# Altium PCB CorePad-V2.0.PcbDoc (part 2 of 3)
Units mil, origin at the board's own origin, x right, y up, seen from the top; angles counter-clockwise.
Board outline 2003.94 x 2003.94 mil, 4 copper layers (TOP, GND02, VCC03, BOT), stack 30.634 mil thick; 57 components, 182 nets, 610 pads, 391 vias.
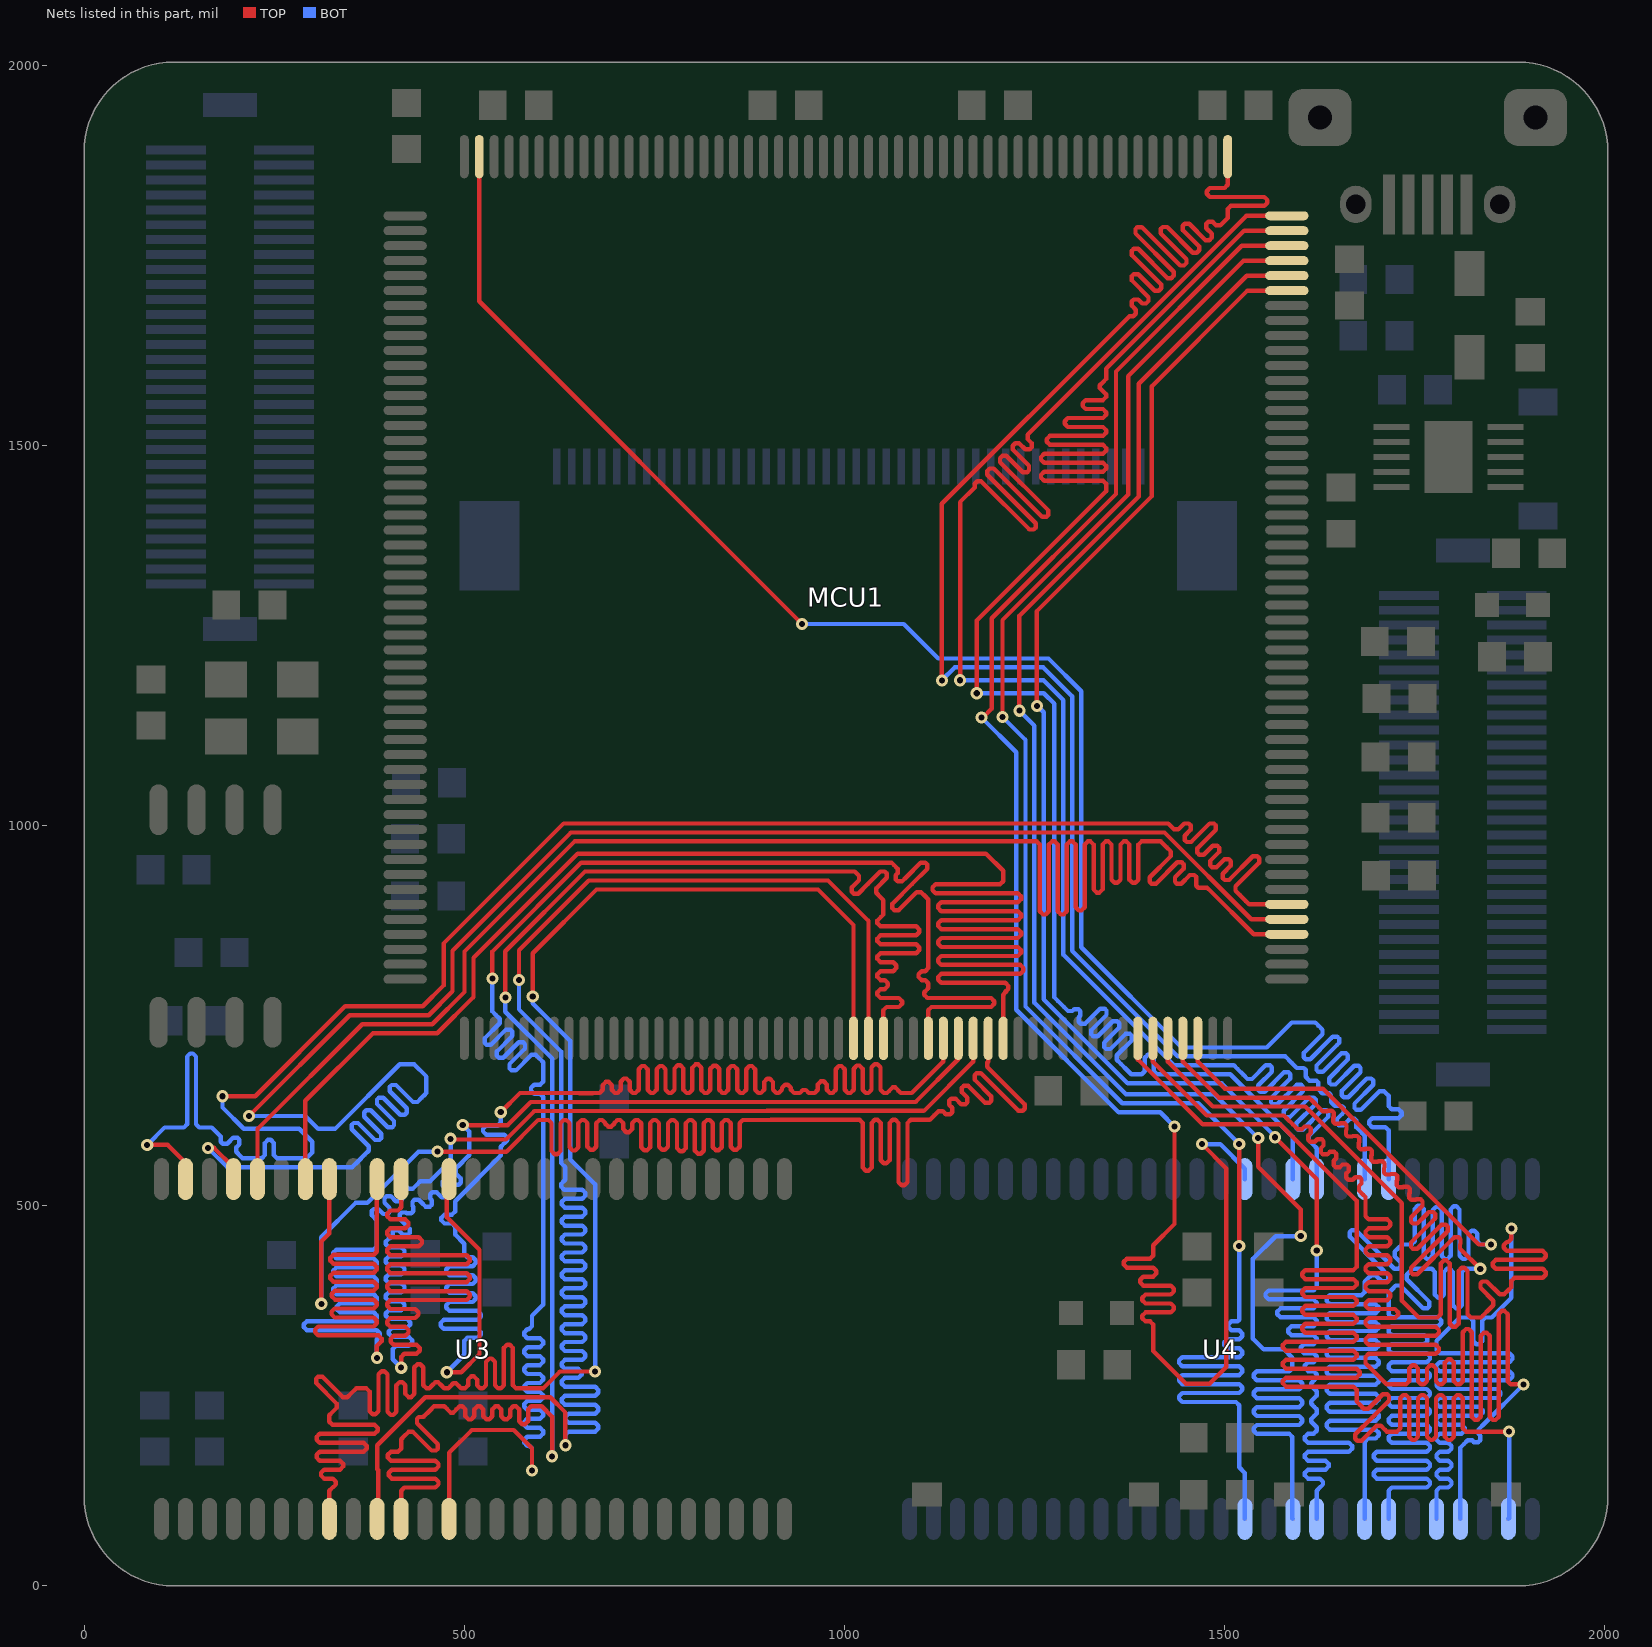
[diagram p4: the nets of this part, all layers, seen from the top]

## Via types
v1: diameter 16, hole 8, TOP to BOT, tented both sides, 229 vias
v2: diameter 24, hole 12, TOP to BOT, tented both sides, 156 vias
v3: diameter 27.56, hole 23.62, TOP to BOT, 4 vias
v4: diameter 39.37, hole 19.68, TOP to BOT, 2 vias

## Nets (pads, with @x,y where several pads share a name; then routed paths per layer and width w, separated by ;. In a path a pad name is that pad's centre, name@x,y a point inside that pad or via, vN(x,y) a via of type N, cw(c..) or ccw(c..) an arc to the next point about the centre after c; other vN are vias at no path point) (continued)
FMC_D4: MCU1.79 U3.8 | length 2595
  TOP w5.78: U3.8@325,90.63 U3.8@322.52,88.15 322.52,94.04 322.52,105.82 322.52,117.6 322.52,125.26 326.64,129.38 327.09,129.38 331.21,133.5 331.21,137.04 327.09,141.16 322.52,141.16 315.64,141.16 311.51,145.28 311.51,148.82 315.64,152.94 322.52,152.94 336.49,152.94 340.62,157.06 340.62,160.6 336.49,164.72 322.52,164.72 309.9,164.72 305.78,168.84 305.78,172.38 309.9,176.5 322.52,176.5 367.61,176.5 371.73,180.62 371.73,184.16 367.61,188.28 322.52,188.28 309.9,188.28 305.78,192.4 305.78,195.94 309.9,200.06 322.52,200.06 381.91,200.06 386.04,204.18 386.04,207.72 381.91,211.84 326.64,211.84 322.52,215.96 322.52,223.62 322.52,224.52 326.68,228.68 332.1,234.1 332.1,239.93 305.19,266.83 305.19,272.67 307.69,275.16 313.52,275.16 340.43,248.26 346.26,248.26 351.67,253.67 357.78,259.78 363.67,259.78 371.33,259.78 375.45,255.66 375.45,229.74 379.57,225.62 383.11,225.62 387.23,229.74 387.23,259.78 387.23,278.23 391.35,282.35 394.89,282.35 399.01,278.23 399.01,259.78 399.01,228.94 403.13,224.81 406.67,224.81 410.79,228.94 410.79,259.78 410.79,263.99 414.91,268.11 418.45,268.11 422.57,263.99 422.57,259.78 422.57,252.5 426.69,248.37 430.23,248.37 434.35,252.5 434.35,259.78 434.35,287.45 438.47,291.57 442.01,291.57 446.13,287.45 446.13,263.9 450.25,259.78 453.79,259.78 457.91,263.9 462.03,268.03 465.57,268.03 469.69,263.9 473.81,259.78 478.91,259.78 481.47,262.34 485.59,266.46 489.13,266.46 493.25,262.34 495.81,259.78 500.91,259.78 505.03,263.9 505.03,271.37 509.15,275.49 512.69,275.49 516.81,271.37 516.81,263.9 520.93,259.78 524.47,259.78 528.59,263.9 528.59,294.94 532.71,299.06 536.25,299.06 540.37,294.94 540.37,263.9 544.49,259.78 548.03,259.78 552.15,263.9 552.15,312.97 556.27,317.09 559.81,317.09 563.93,312.97 563.93,263.9 568.05,259.78 603.53,259.78 625.75,282 v1(672,282) ; v1(590,775) 590,832 673.89,915.89 965.11,915.89 1011.81,869.19 MCU1.79@1011.81,720.12
  BOT w5.78: v1(590,775) 590,766 639.11,716.89 639.11,561 672,528.11 v1(672,282)
FMC_D5: MCU1.80 U3.10 | length 2588.5
  TOP w5.78: U3.10@385.51,88.15 386.69,89.32 386.69,152.45 385.51,153.63 385.51,185 448.51,248 613,248 633,228 v1(633,185) ; v1(572,797) 572,836 663.67,927.67 978.33,927.67 1031.5,874.5 MCU1.80@1031.5,720.12
  BOT w5.78: v1(572,797) 572,758.11 627.33,702.78 627.33,556.12 633,550.45 633,544.56 633,534.33 631.45,532.78 627.33,528.66 627.33,525.12 631.45,521 633,521 655.19,521 659.31,516.88 659.31,513.34 655.19,509.22 633,509.22 632.36,509.22 628.24,505.1 628.24,501.56 632.36,497.44 633,497.44 655.19,497.44 659.31,493.32 659.31,489.78 655.19,485.66 633,485.66 632.36,485.66 628.24,481.54 628.24,478 632.36,473.88 633,473.88 655.19,473.88 659.31,469.76 659.31,466.22 655.19,462.1 633,462.1 632.36,462.1 628.24,457.98 628.24,454.44 632.36,450.32 633,450.32 655.19,450.32 659.31,446.2 659.31,442.66 655.19,438.54 633,438.54 632.36,438.54 628.24,434.42 628.24,430.88 632.36,426.76 633,426.76 655.19,426.76 659.31,422.64 659.31,419.1 655.19,414.98 633,414.98 632.36,414.98 628.24,410.86 628.24,407.32 632.36,403.2 633,403.2 655.19,403.2 659.31,399.08 659.31,395.54 655.19,391.42 633,391.42 632.36,391.42 628.24,387.3 628.24,383.76 632.36,379.64 633,379.64 655.19,379.64 659.31,375.52 659.31,371.98 655.19,367.86 633,367.86 632.36,367.86 628.24,363.74 628.24,360.2 632.36,356.08 633,356.08 655.19,356.08 659.31,351.96 659.31,348.42 655.19,344.3 633,344.3 632.36,344.3 628.24,340.18 628.24,336.64 632.36,332.52 633,332.52 655.19,332.52 659.31,328.4 659.31,324.86 655.19,320.74 633,320.74 632.36,320.74 628.24,316.62 628.24,313.08 632.36,308.96 633,308.96 655.19,308.96 659.31,304.84 659.31,301.3 655.19,297.18 633,297.18 632.36,297.18 628.24,293.06 628.24,289.52 632.36,285.4 633,285.4 650.1,285.4 654.22,281.28 654.22,277.74 650.1,273.62 633,273.62 632.36,273.62 628.24,269.5 628.24,265.96 632.36,261.84 633,261.84 672.19,261.84 676.31,257.72 676.31,254.18 672.19,250.06 633,250.06 632.36,250.06 628.24,245.94 628.24,242.4 632.36,238.28 633,238.28 672.19,238.28 676.31,234.16 676.31,230.62 672.19,226.5 637.12,226.5 633,222.38 633,218.84 637.12,214.72 672.19,214.72 676.31,210.6 676.31,207.06 672.19,202.94 637.12,202.94 633,198.82 v1(633,185)
FMC_D6: MCU1.81 U3.11 | length 2642.7
  TOP w5.78: U3.11@417.01,88.15 417.01,94.04 417.01,105.82 417.01,117.6 417.01,125.26 421.13,129.38 461.92,129.38 466.04,133.5 466.04,137.04 461.92,141.16 417.01,141.16 404.77,141.16 400.64,145.28 400.64,148.82 404.77,152.94 417.01,152.94 461.92,152.94 466.04,157.06 466.04,160.6 461.92,164.72 417.01,164.72 403.59,164.72 399.47,168.84 399.47,172.38 403.59,176.5 412.88,176.5 417.01,180.62 417.01,188.28 417.01,193.01 421.17,197.17 426.59,202.59 432.42,202.59 456.97,178.04 462.8,178.04 465.3,180.54 465.3,186.37 437.83,213.83 437.83,219.66 440.33,222.16 446.16,222.16 445.66,222.66 446.66,222.66 454.49,230.49 460.22,236.22 466.11,236.22 473.77,236.22 477.89,232.1 482.01,227.97 485.55,227.97 489.67,232.1 493.79,236.22 497.33,236.22 501.45,232.1 501.45,223.05 505.57,218.92 509.11,218.92 513.23,223.05 513.23,232.1 517.35,236.22 520.89,236.22 525.01,232.1 525.01,223.08 529.13,218.96 532.67,218.96 536.79,223.08 536.79,232.1 540.91,236.22 544.45,236.22 548.57,232.1 548.57,223.08 552.69,218.96 556.23,218.96 560.35,223.08 560.35,232.1 564.47,236.22 568.01,236.22 572.13,232.1 572.13,216.71 576.25,212.58 579.79,212.58 583.91,216.71 583.91,232.1 588.03,236.22 601.78,236.22 615.45,222.55 v1(615.45,170.45) ; v1(554,774) 554,834.66 658.79,939.45 1013.55,939.45 1014.5,938.5 1019.11,933.89 1019.11,928.06 1009.77,918.72 1009.77,912.89 1012.27,910.39 1018.1,910.39 1030.36,922.64 1047.16,939.45 1053,939.45 1055.49,936.95 1055.49,931.12 1041.6,917.23 1041.6,911.4 1047.02,905.98 1051.18,901.82 1051.18,890.93 1051.18,882.93 1047.4,879.15 1043.27,875.03 1043.27,871.49 1047.4,867.37 1051.18,867.37 1094.33,867.37 1098.46,863.25 1098.46,859.71 1094.33,855.59 1051.18,855.59 1047.4,855.59 1043.27,851.47 1043.27,847.93 1047.4,843.81 1051.18,843.81 1094.33,843.81 1098.46,839.69 1098.46,836.15 1094.33,832.03 1051.18,832.03 1047.4,832.03 1043.27,827.91 1043.27,824.37 1047.4,820.25 1051.18,820.25 1063.96,820.25 1068.09,816.13 1068.09,812.59 1063.96,808.47 1051.18,808.47 1047.4,808.47 1043.27,804.35 1043.27,800.81 1047.4,796.69 1051.18,796.69 1052.99,796.69 1057.12,792.57 1057.12,789.03 1052.99,784.91 1051.18,784.91 1047.4,784.91 1043.27,780.79 1043.27,777.25 1047.4,773.13 1051.18,773.13 1071.56,773.13 1075.69,769.01 1075.69,765.47 1071.56,761.35 1055.3,761.35 1051.18,757.23 1051.18,749.57 1051.18,737.79 1051.18,726.01 MCU1.81@1051.18,720.12
  BOT w5.78: v1(554,774) 554,755 615.55,693.45 615.55,533.54 615.55,520.24 615.45,520.14 v1(615.45,170.45)
FMC_D7: MCU1.84 U3.13 | length 2591.5
  TOP w5.78: U3.13@480,88.15 480,175 510,205 565,205 589,181 v1(589,152) ; v1(537,799) 537,834.32 653.91,951.23 1056,951.23 1061.77,951.23 1064.42,948.58 1069.84,943.16 1069.84,937.33 1067.27,934.77 1067.27,928.94 1069.77,926.44 1075.6,926.44 1081.08,931.92 1100.4,951.23 1106.23,951.23 1108.72,948.73 1108.72,942.9 1089.41,923.59 1062.96,897.14 1062.96,891.31 1065.46,888.81 1071.29,888.81 1094.83,912.34 1100.66,912.34 1106.07,906.93 1110.24,902.76 1110.24,902.71 1110.24,890.93 1110.24,879.15 1110.24,867.37 1110.24,855.59 1110.24,843.81 1110.24,832.03 1110.24,820.25 1110.24,812.59 1106.11,808.47 1101.5,808.47 1097.37,804.35 1097.37,800.81 1101.5,796.69 1106.11,796.69 1110.24,792.57 1110.24,786.13 1109.01,784.91 1104.89,780.79 1104.89,777.25 1109.01,773.13 1110.24,773.13 1192.76,773.13 1196.88,769.01 1196.88,765.47 1192.76,761.35 1114.36,761.35 1110.24,757.23 1110.24,749.57 1110.24,737.79 1110.24,726.01 MCU1.84@1110.24,720.12
  BOT w5.78: v1(537,799) 537,755.34 541.16,751.18 546.58,745.76 546.58,739.93 526.69,720.05 526.69,714.22 529.19,711.72 535.02,711.72 554.91,731.6 560.74,731.6 563.24,729.1 563.24,723.27 542.86,702.9 542.86,697.07 545.36,694.57 551.19,694.57 571.57,714.94 577.4,714.94 579.9,712.44 579.9,706.61 559.52,686.24 559.52,680.41 562.02,677.91 567.85,677.91 588.23,698.28 594.06,698.28 599.47,692.87 603.77,688.57 603.77,682.68 603.77,670.9 603.77,663.24 599.65,659.12 591.92,659.12 587.8,655 587.8,651.46 591.92,647.34 599.65,647.34 603.77,643.22 603.77,635.56 603.77,629 603.77,538.42 603.67,538.32 603.67,369.9 589,355.23 589,349.34 589,341.68 584.88,337.56 582.9,337.56 578.78,333.43 578.78,329.9 582.9,325.78 589,325.78 599.55,325.78 603.67,321.65 603.67,318.12 599.55,314 589,314 582.9,314 578.78,309.87 578.78,306.34 582.9,302.22 589,302.22 599.55,302.22 603.67,298.09 603.67,294.56 599.55,290.44 589,290.44 582.9,290.44 578.78,286.31 578.78,282.78 582.9,278.66 589,278.66 599.55,278.66 603.67,274.53 603.67,271 599.55,266.88 589,266.88 582.9,266.88 578.78,262.75 578.78,259.22 582.9,255.1 589,255.1 599.55,255.1 603.67,250.97 603.67,247.44 599.55,243.32 589,243.32 582.9,243.32 578.78,239.19 578.78,235.66 582.9,231.54 589,231.54 599.55,231.54 603.67,227.41 603.67,223.88 599.55,219.76 589,219.76 582.9,219.76 578.78,215.63 578.78,212.1 582.9,207.98 589,207.98 599.55,207.98 603.67,203.85 603.67,200.32 599.55,196.2 589,196.2 582.9,196.2 578.78,192.07 578.78,188.54 582.9,184.42 585.58,184.42 589,181 v1(589,152)
FMC_D8: MCU1.85 U3.42 | length 2476.8
  TOP w5.78: v1(477,281) 496,281 520,305 520,442 477,485 477,532 U3.42@480,535 ; v1(548,623) 573.23,648.23 651.23,648.23 651.35,648.11 668.65,648.11 668.77,648.23 675,648.23 678.04,648.23 682.17,652.35 682.17,658.67 686.29,662.79 689.82,662.79 693.95,658.67 693.95,652.35 698.07,648.23 701.6,648.23 705.73,652.35 705.73,663.14 709.85,667.27 713.38,667.27 717.51,663.14 717.51,652.35 721.63,648.23 725.16,648.23 729.29,652.35 729.29,679.56 733.41,683.69 736.94,683.69 741.07,679.56 741.07,652.35 745.19,648.23 748.72,648.23 752.85,652.35 752.85,679.6 756.97,683.73 760.5,683.73 764.63,679.6 764.63,652.35 768.75,648.23 772.28,648.23 776.41,652.35 776.41,680.48 780.53,684.6 784.06,684.6 788.19,680.48 788.19,652.35 792.31,648.23 795.84,648.23 799.97,652.35 799.97,681.68 804.09,685.8 807.62,685.8 811.75,681.68 811.75,652.35 815.87,648.23 819.4,648.23 823.53,652.35 823.53,680.01 827.65,684.13 831.18,684.13 835.31,680.01 835.31,652.35 839.43,648.23 842.96,648.23 847.09,652.35 847.09,679.56 851.21,683.69 854.74,683.69 858.87,679.56 858.87,652.35 862.99,648.23 866.52,648.23 870.65,652.35 870.65,679.58 874.77,683.71 878.3,683.71 882.43,679.58 882.43,652.35 886.55,648.23 890.08,648.23 894.21,652.35 894.21,662.74 898.33,666.87 901.86,666.87 905.99,662.74 905.99,652.35 910.11,648.23 913.64,648.23 917.77,652.35 917.77,654.99 921.89,659.11 925.42,659.11 929.55,654.99 929.55,652.35 933.67,648.23 941.33,648.23 945.21,652.11 949.22,652.11 953.11,648.23 960.76,648.23 964.89,652.35 964.89,659.44 969.01,663.56 972.54,663.56 976.67,659.44 976.67,652.35 980.79,648.23 984.32,648.23 988.45,652.35 988.45,679.57 992.57,683.69 996.1,683.69 1000.23,679.57 1000.23,652.35 1004.35,648.23 1007.88,648.23 1012.01,652.35 1012.01,680.26 1016.13,684.38 1019.66,684.38 1023.79,680.26 1023.79,652.35 1027.91,648.23 1031.44,648.23 1035.57,652.35 1035.57,682.09 1039.69,686.21 1043.22,686.21 1047.35,682.09 1047.35,652.35 1051.47,648.23 1055.94,648.23 1059.13,651.42 1063.25,655.54 1066.78,655.54 1070.91,651.42 1074.09,648.23 1082.69,648.23 1088.58,648.23 1129.92,689.57 MCU1.85@1129.92,720.12
  BOT w5.78: v1(477,281) 500,304 500,314.53 500,322.19 504.12,326.31 517.33,326.31 521.45,330.43 521.45,333.97 517.33,338.09 500,338.09 472.99,338.09 468.87,342.21 468.87,345.75 472.99,349.87 500,349.87 517.6,349.87 521.72,353.99 521.72,357.53 517.6,361.65 500,361.65 480.49,361.65 476.37,365.77 476.37,369.31 480.49,373.43 500,373.43 511,373.43 515.13,377.55 515.13,381.09 511,385.21 500,385.21 480.49,385.21 476.37,389.33 476.37,392.87 480.49,396.99 500,396.99 511,396.99 515.12,401.11 515.12,404.65 511,408.77 500,408.77 480.33,408.77 476.21,412.89 476.21,416.43 480.33,420.55 500,420.55 511,420.55 515.12,424.67 515.12,428.21 511,432.33 504.12,432.33 500,436.45 500,444.11 500,450 488,462 488,464.77 488,472.43 483.88,476.55 474.03,476.55 469.91,480.67 469.91,484.21 474.03,488.33 483.88,488.33 488,492.45 488,500.11 488,506 548,566 548,575 548,577.65 552.12,581.77 552.65,581.77 556.78,585.89 556.78,589.43 552.65,593.55 548,593.55 528.79,593.55 524.67,597.67 524.67,601.21 528.79,605.33 543.88,605.33 548,609.45 548,617.11 v1(548,623)
FMC_D9: MCU1.86 U3.44 | length 2638.3
  TOP w5.78: v1(417,287) 417,295 417,301.16 421.12,305.28 437.2,305.28 441.32,309.41 441.32,312.94 437.2,317.06 417,317.06 407.16,317.06 403.04,321.19 403.04,324.72 407.16,328.84 417,328.84 422.53,328.84 426.65,332.97 426.65,336.5 422.53,340.62 417,340.62 402.87,340.62 398.75,344.75 398.75,348.28 402.87,352.4 417,352.4 435.67,352.4 439.79,356.53 439.79,360.06 435.67,364.18 417,364.18 402.87,364.18 398.75,368.31 398.75,371.84 402.87,375.96 417,375.96 503.13,375.96 507.26,380.09 507.26,383.62 503.13,387.74 417,387.74 402.87,387.74 398.75,391.87 398.75,395.4 402.87,399.52 417,399.52 503.13,399.52 507.26,403.65 507.26,407.18 503.13,411.3 417,411.3 402.87,411.3 398.75,415.43 398.75,418.96 402.87,423.08 417,423.08 503.13,423.08 507.26,427.21 507.26,430.74 503.13,434.86 417,434.86 402.87,434.86 398.75,438.99 398.75,442.52 402.87,446.64 417,446.64 440.26,446.64 444.38,450.77 444.38,454.3 440.26,458.42 417,458.42 402.87,458.42 398.75,462.55 398.75,466.08 402.87,470.2 417,470.2 422.53,470.2 426.65,474.33 426.65,477.86 422.53,481.98 417,481.98 402.87,481.98 398.75,486.11 398.75,489.64 402.87,493.76 412.88,493.76 417,497.89 417,505.54 417,517.32 417,529.1 U3.44@417.01,535 ; v1(498,606) 557,606 587.45,636.45 646.35,636.45 646.47,636.33 673.53,636.33 673.65,636.45 1093.46,636.45 1149.61,692.6 MCU1.86@1149.61,720.12
  BOT w5.78: v1(417,287) 406,298 406,303.89 406,311.55 410.12,315.67 427.2,315.67 431.33,319.79 431.33,323.33 427.2,327.45 406,327.45 405.02,327.45 400.9,331.57 400.9,335.11 405.02,339.23 406,339.23 424.57,339.23 428.69,343.35 428.69,346.89 424.57,351.01 406,351.01 400.9,351.01 396.78,355.13 396.78,358.67 400.9,362.79 406,362.79 417.2,362.79 421.32,366.91 421.32,370.45 417.2,374.57 406,374.57 400.9,374.57 396.78,378.69 396.78,382.23 400.9,386.35 406,386.35 417.2,386.35 421.32,390.47 421.32,394.01 417.2,398.13 406,398.13 400.9,398.13 396.78,402.25 396.78,405.79 400.9,409.91 406,409.91 417.21,409.91 421.34,414.03 421.34,417.57 417.21,421.69 406,421.69 400.9,421.69 396.78,425.81 396.78,429.35 400.9,433.47 406,433.47 417.2,433.47 421.32,437.59 421.32,441.13 417.2,445.25 406,445.25 400.9,445.25 396.78,449.37 396.78,452.91 400.9,457.03 401.88,457.03 406,461.15 406,466 407.74,467.74 413.57,467.74 419.7,461.61 425.53,461.61 428.03,464.11 428.03,469.94 418.98,478.98 415.23,482.74 415.23,488.57 417.73,491.07 423.56,491.07 424.4,490.23 430.23,490.23 432.73,492.73 432.73,498.56 431.89,499.4 431.89,505.23 434.39,507.73 440.22,507.73 443.97,503.97 449.06,498.88 454.89,498.88 457.39,501.38 457.39,507.21 455.22,509.39 455.22,515.22 457.72,517.72 463.55,517.72 470.44,510.82 476.27,510.82 478.77,513.32 478.77,519.15 471.88,526.05 471.88,531.88 474.38,534.38 480.21,534.38 487.05,527.53 492.88,527.53 495.38,530.03 495.38,535.86 488.54,542.71 488.54,548.54 493.95,553.95 502.28,562.28 506.45,566.44 506.45,597.56 v1(498,606)
FMC_D10: MCU1.87 U3.45 | length 2613
  TOP w5.78: v1(385,300) 385,305.89 385,315.53 387.14,317.67 391.26,321.79 391.26,325.33 387.14,329.45 385,329.45 307.9,329.45 303.78,333.57 303.78,337.11 307.9,341.23 380.88,341.23 385,345.35 385,348.89 380.88,353.01 329.48,353.01 325.36,357.13 325.36,360.67 329.48,364.79 380.88,364.79 385,368.91 385,372.45 380.88,376.57 329.95,376.57 325.83,380.69 325.83,384.23 329.95,388.35 380.88,388.35 385,392.47 385,396.01 380.88,400.13 327.9,400.13 323.78,404.25 323.78,407.79 327.9,411.91 380.88,411.91 385,416.03 385,419.57 380.88,423.69 327.9,423.69 323.78,427.81 323.78,431.35 327.9,435.47 380.88,435.47 385,439.59 385,447.25 385,451 385,533.51 386,534.51 U3.45@385.51,535 ; v1(482,588) 482.89,587.11 554.77,587.11 592.21,624.55 898,624.55 898.12,624.67 1104.39,624.67 1169.29,689.57 MCU1.87@1169.29,720.12
  BOT w5.78: v1(385,300) 385,323.79 385.74,324.53 385,324.53 389.12,328.65 389.12,332.19 385,336.31 293.04,336.31 288.92,340.43 288.92,343.97 293.04,348.09 380.88,348.09 385,352.21 385,355.75 380.88,359.87 336.57,359.87 332.44,363.99 332.44,367.53 336.57,371.65 380.88,371.65 385,375.77 385,379.31 380.88,383.43 331.82,383.43 327.7,387.55 327.7,391.09 331.82,395.21 380.88,395.21 385,399.33 385,402.87 380.88,406.99 331.82,406.99 327.7,411.11 327.7,414.65 331.82,418.77 380.88,418.77 385,422.89 385,426.43 380.88,430.55 331.82,430.55 327.7,434.67 327.7,438.21 331.82,442.33 380.88,442.33 385,446.45 385,454.11 385,460 385,475 385,480.83 378.49,487.34 378.49,493.17 380.99,495.67 386.82,495.67 393.33,489.16 399.16,489.16 401.66,491.66 401.66,497.49 395.15,504 395.15,509.83 397.65,512.33 403.48,512.33 409.99,505.82 415.82,505.82 418.32,508.32 418.32,514.15 411.81,520.66 411.81,526.49 414.3,528.99 420.14,528.99 426.64,522.48 432.48,522.48 437.89,527.89 442.05,532.06 455.06,532.06 482,559 v1(482,588)
FMC_D11: MCU1.88 U3.47 | length 2603.1
  TOP w5.78: v1(312,371) 312,453 322.52,463.52 U3.47@322.52,535 U3.47@322.52,546.3 ; v1(464.89,571.11) 555.43,571.11 597.09,612.77 602.98,612.77 610.64,612.77 614.76,608.65 614.76,571.95 618.88,567.82 622.42,567.82 626.54,571.95 626.54,608.65 630.66,612.77 634.2,612.77 638.32,608.65 638.32,576.79 642.44,572.67 645.98,572.67 650.1,576.79 650.1,608.65 654.22,612.77 657.76,612.77 661.88,608.65 661.88,577.5 666,573.38 669.54,573.38 673.66,577.5 673.66,608.65 677.78,612.77 681.32,612.77 685.44,608.65 685.44,607.94 689.56,603.82 693.1,603.82 697.22,607.94 697.22,608.65 701.34,612.77 704.88,612.77 709,608.65 709,600.84 713.12,596.72 716.66,596.72 720.78,600.84 720.78,608.65 724.9,612.77 728.44,612.77 732.56,608.65 732.56,576.86 736.68,572.74 740.22,572.74 744.34,576.86 744.34,608.65 748.46,612.77 752,612.77 756.12,608.65 756.12,577.5 760.24,573.38 763.78,573.38 767.9,577.5 767.9,608.65 772.02,612.77 775.56,612.77 779.68,608.65 779.68,575.78 783.8,571.65 787.34,571.65 791.46,575.78 791.46,608.65 795.58,612.77 799.12,612.77 803.24,608.65 803.24,572.44 807.36,568.32 810.9,568.32 815.02,572.44 815.02,608.65 819.14,612.77 822.68,612.77 826.8,608.65 826.8,576.93 830.92,572.8 834.46,572.8 838.58,576.93 838.58,608.65 842.7,612.77 846.24,612.77 850.36,608.65 850.36,577.5 854.48,573.38 858.02,573.38 862.14,577.5 862.14,608.65 866.26,612.77 891,612.77 902.88,612.77 903,612.89 1009,612.89 1012.16,612.89 1019.82,612.89 1023.94,608.77 1023.94,550.26 1028.06,546.14 1031.6,546.14 1035.72,550.26 1035.72,608.77 1039.84,612.89 1043.38,612.89 1047.5,608.77 1047.5,559.95 1051.62,555.83 1055.16,555.83 1059.28,559.95 1059.28,608.77 1063.4,612.89 1066.94,612.89 1071.06,608.77 1071.06,530.93 1075.18,526.81 1078.72,526.81 1082.84,530.93 1082.84,608.77 1086.96,612.89 1094.62,612.89 1106.4,612.89 1112.29,612.89 1118.17,618.77 1123.59,624.19 1129.42,624.19 1133.26,620.35 1139.09,620.35 1141.59,622.85 1141.59,628.68 1137.75,632.52 1137.75,638.35 1140.25,640.85 1146.08,640.85 1153.33,633.59 1159.16,633.59 1161.66,636.09 1161.66,641.92 1154.41,649.18 1154.41,655.01 1156.91,657.51 1162.74,657.51 1184.8,635.44 1190.63,635.44 1193.13,637.94 1193.13,643.77 1171.07,665.83 1171.07,671.67 1173.57,674.16 1179.4,674.16 1228.67,624.89 1234.5,624.89 1237,627.39 1237,633.22 1187.73,682.49 1187.73,688.32 1188.98,689.57 MCU1.88@1188.98,720.12
  BOT w5.78: v1(312,371) 312,458.66 357,503.66 372.32,503.66 439.77,571.11 v1(464.89,571.11)
FMC_D12: MCU1.89 U3.48 | length 2651.7
  TOP w5.78: U3.48@291.02,535 291.02,638.02 379.89,726.89 442,726.89 464.61,726.88 512.11,774.38 512.11,826.09 649.03,963.01 1185.99,963.01 1208.66,940.34 1208.66,934.45 1208.66,926.79 1204.54,922.67 1119.82,922.67 1115.69,918.55 1115.69,915.01 1119.82,910.89 1208.66,910.89 1228.05,910.89 1232.17,906.77 1232.17,903.23 1228.05,899.11 1208.66,899.11 1127.19,899.11 1123.06,894.99 1123.06,891.45 1127.19,887.33 1208.66,887.33 1228.05,887.33 1232.17,883.21 1232.17,879.67 1228.05,875.55 1208.66,875.55 1127.19,875.55 1123.06,871.43 1123.06,867.89 1127.19,863.77 1208.66,863.77 1228.05,863.77 1232.17,859.65 1232.17,856.11 1228.05,851.99 1208.66,851.99 1127.19,851.99 1123.06,847.87 1123.06,844.33 1127.19,840.21 1208.66,840.21 1228.05,840.21 1232.17,836.09 1232.17,832.55 1228.05,828.43 1208.66,828.43 1127.19,828.43 1123.06,824.31 1123.06,820.77 1127.19,816.65 1208.66,816.65 1231.16,816.65 1235.29,812.53 1235.29,808.99 1231.16,804.87 1208.66,804.87 1127.19,804.87 1123.06,800.75 1123.06,797.21 1127.19,793.09 1208.66,793.09 1211.45,793.09 1215.57,788.97 1215.57,785.43 1211.45,781.31 1212.48,781.31 1208.66,777.48 MCU1.89@1208.66,720.12
FMC_D13: MCU1.108 U3.50 | length 2650
  TOP w5.78: U3.50@228.03,535 228.03,601.03 365.67,738.67 446.88,738.67 ; 446.89,738.66 458,738.66 500.33,780.99 500.33,834.33 645.07,979.07 1240,979.07 1245.12,979.07 1252.78,979.07 1256.9,974.95 1256.9,887.11 1261.02,882.99 1264.56,882.99 1268.68,887.11 1268.68,974.95 1272.8,979.07 1276.34,979.07 1280.46,974.95 1280.46,887.11 1284.58,882.99 1288.12,882.99 1292.24,887.11 1292.24,974.95 1296.36,979.07 1299.9,979.07 1304.02,974.95 1304.02,892.38 1308.14,888.25 1311.68,888.25 1315.8,892.38 1315.8,974.95 1319.92,979.07 1323.46,979.07 1327.58,974.95 1327.58,915.94 1331.7,911.81 1335.24,911.81 1339.36,915.94 1339.36,974.95 1343.48,979.07 1347.02,979.07 1351.14,974.95 1351.14,928.82 1355.26,924.7 1358.8,924.7 1362.92,928.82 1362.92,974.95 1367.04,979.07 1370.58,979.07 1374.7,974.95 1374.7,928.82 1378.82,924.7 1382.36,924.7 1386.48,928.82 1386.48,974.95 1390.6,979.07 1398.26,979.07 1410.04,979.07 1415.93,979.07 1423.86,971.14 1429.27,965.73 1429.27,959.9 1401.25,931.88 1401.25,926.05 1403.75,923.55 1409.58,923.55 1437.6,951.57 1443.43,951.57 1445.93,949.07 1445.93,943.24 1434.57,931.88 1434.57,926.05 1437.07,923.55 1442.9,923.55 1454.26,934.91 1460.09,934.91 1462.59,932.41 1462.59,926.58 1462.59,920.75 1465.09,918.25 1470.92,918.25 1476.75,918.25 1478,917 1538.07,856.93 MCU1.108@1581.69,856.93